# KiCad board artix-dc-scm.kicad_pcb (continued)
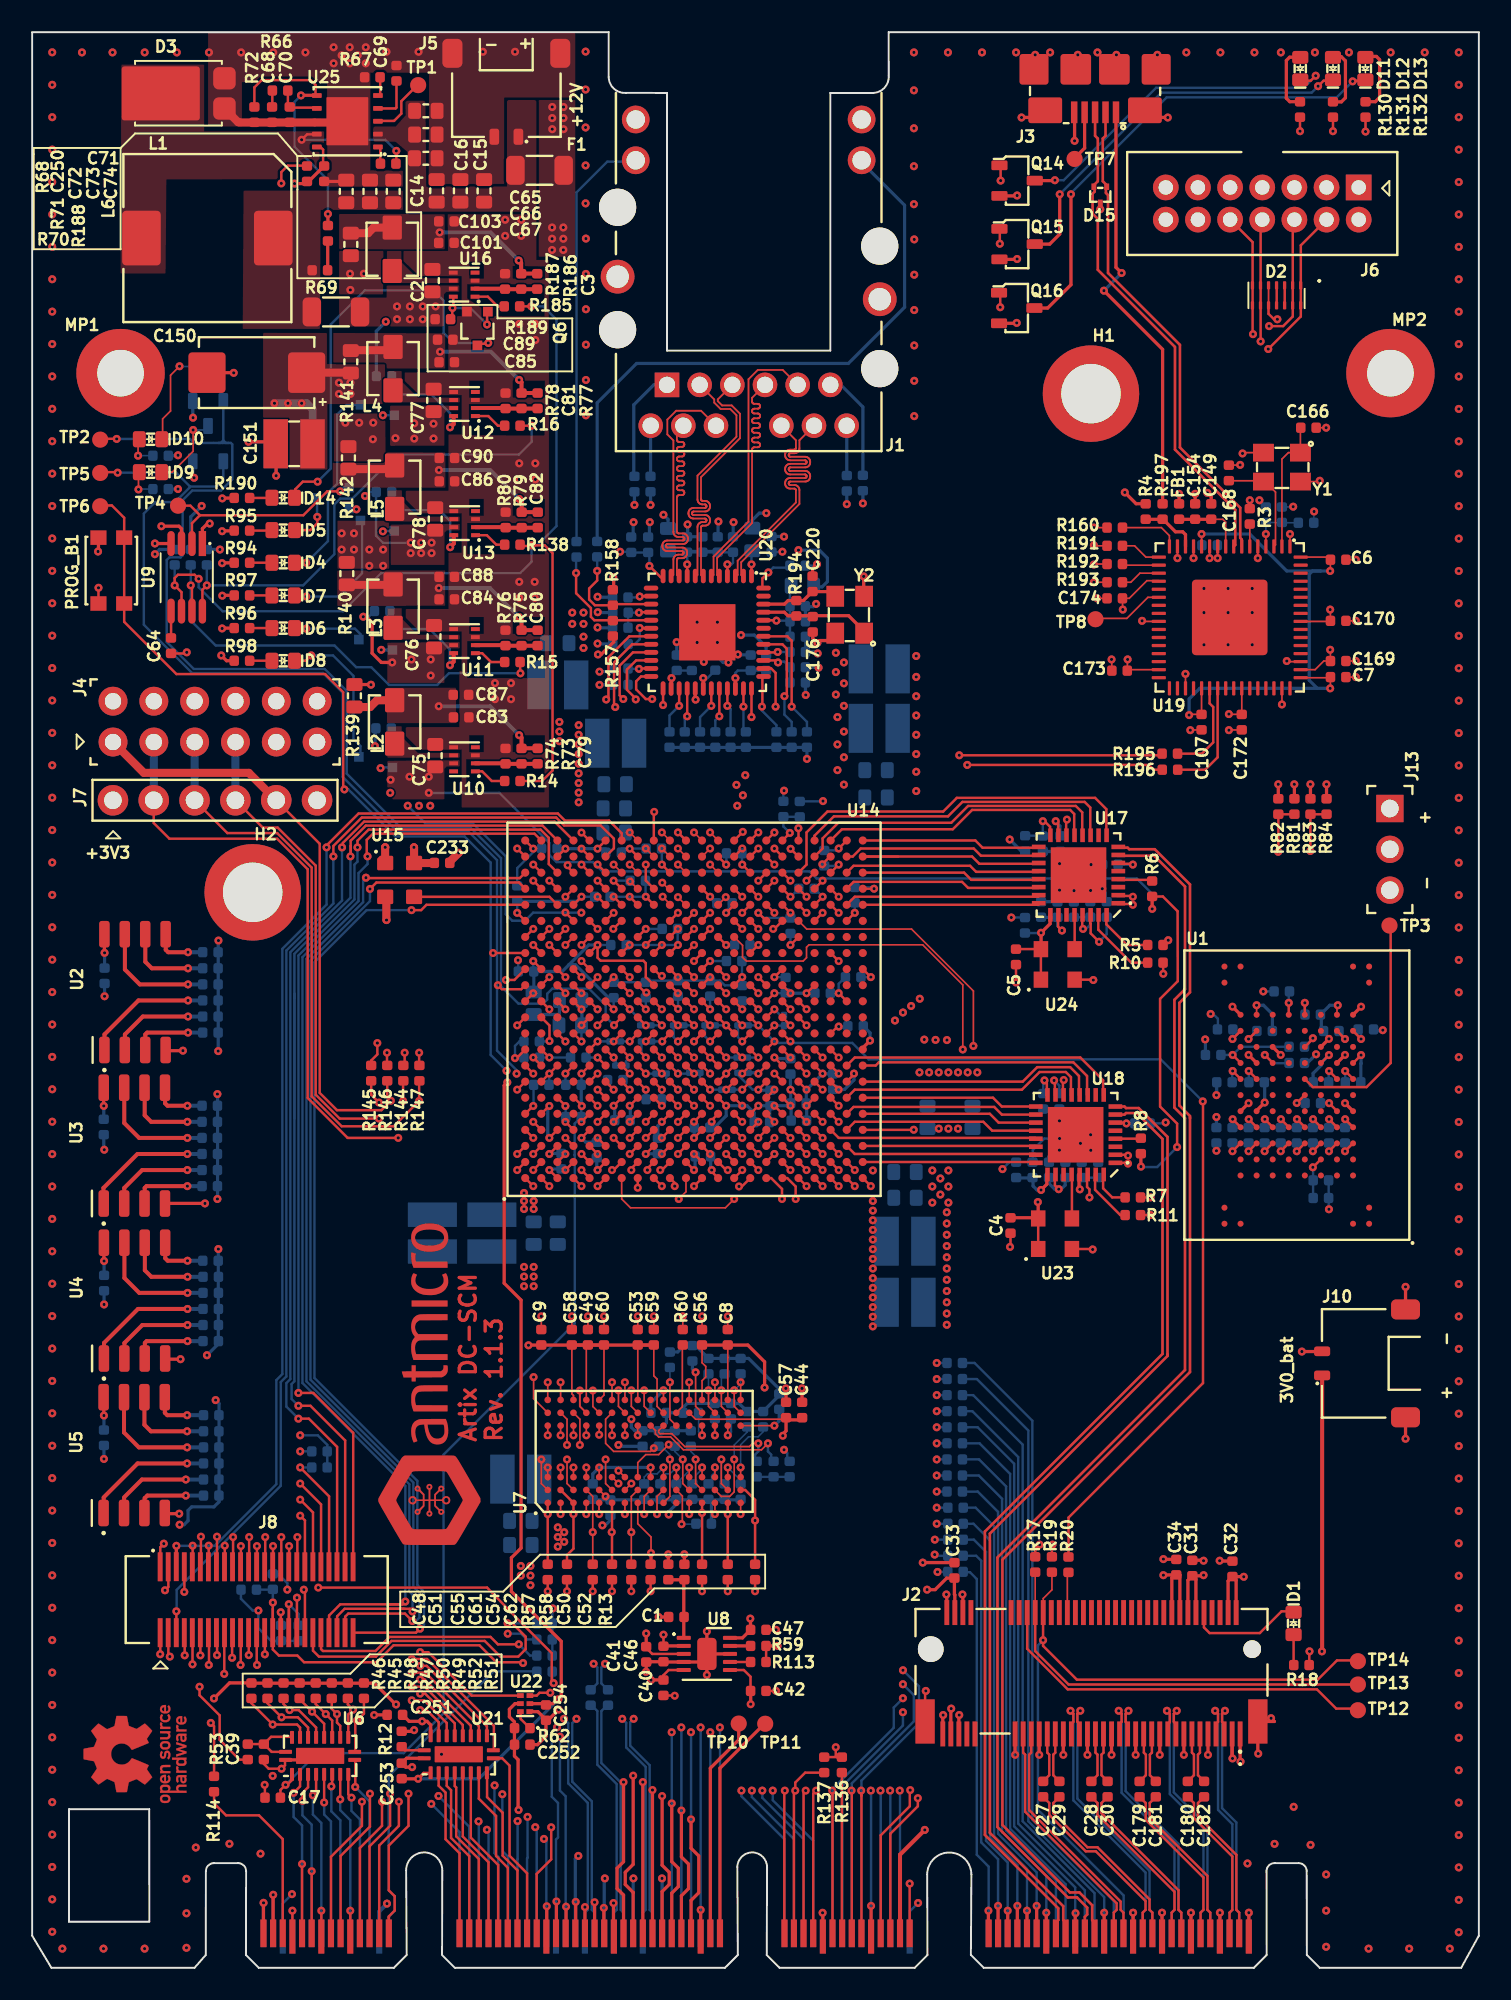
[diagram p0: board, top side]
## Routing (per net, layer and track width the routed paths; a pad name or vN(x,y) marks a point on that pad's centre or on a via; arc(x,y) is an arc through that point) (continued)
SPI0_CLK_R: length 19.5
  Top w0.15: v3(21.48,57.53) 21.48,56.82 21.09,56.44 21.09,56.14 ; U14.E16 v3(34.18,63.63)
  In2.Cu w0.15: v3(34.18,63.63) 34.18,63.73 32.47,65.43 30.96,65.43 30.46,64.94 28.09,64.94 28.07,64.93 21.48,58.32 v3(21.48,57.53)
SPI0_CS_N: length 90.4
  Top w0.15: v3(22.26,10.83) 22.26,8.84 20.99,7.56 20.99,1.96 ; 15.18,72.63 17.89,69.92 17.89,54.42 18.96,53.35 21.73,53.35 v3(22.32,53.94) 22.09,54.16 22.09,55.17
  Top w0.5: 15.18,72.63 13.48,74.33 6.95,74.33 J4.1
  In2.Cu w0.15: v3(22.32,53.94) 22.32,52.24 21.71,51.64 21.71,11.38 v3(22.26,10.83)
SPI0_CS_N_R: length 17.9
  Top w0.15: v3(22.07,56.93) 22.07,56.16 22.09,56.14 ; U14.D16 v3(33.18,63.63)
  In2.Cu w0.15: v3(33.18,63.63) 33.18,64.33 32.43,65.08 31.01,65.08 30.62,64.69 28.26,64.69 22.07,58.5 v3(22.07,56.93)
SPI0_MISO: length 91.3
  Top w0.15: 22.2,3.14 22.19,3.13 22.19,1.96 ; J7.3 12.15,70.59 15.24,70.59 17.39,68.44 17.39,54.21 19.25,52.35 22.5,52.35 v3(24.07,53.93) 24.07,55.16 24.09,55.17 ; J9.OB14 22.19,3.2 22.55,3.56 22.55,4.46 22.19,4.82 22.19,7.61 23.41,8.84 v3(23.41,10.84)
  In2.Cu w0.15: v3(23.41,10.84) 22.21,12.04 22.21,50.06 24.07,51.93 v3(24.07,53.93)
  Bottom w0.5: 10.11,76.25 10.11,72.63 J7.3
SPI0_MISO_R: length 14.4
  Top w0.15: U14.B16 v3(32.18,64.63) ; 24.09,56.14 24.07,56.16 v3(24.07,56.93)
  In2.Cu w0.15: v3(32.18,64.63) 31.68,64.14 29.11,64.14 29.1,64.15 28.6,64.15 24.07,59.63 v3(24.07,56.93)
SPI0_MOSI: length 91.2
  Top w0.15: v3(23.07,53.93) 23.07,55.16 23.09,55.17 ; J7.2 7.57,71.21 8.54,70.24 15.24,70.24 17.14,68.34 17.14,54.11 19.62,51.63 v3(22.77,51.63) ; 21.59,1.96 21.59,7.61 22.82,8.84 v3(22.82,10.34)
  In2.Cu w0.15: v3(22.82,10.34) 22.82,10.96 21.96,11.81 21.96,50.81 v3(22.77,51.63) 23.07,51.93 v3(23.07,53.93)
  Bottom w0.5: 7.57,76.25 7.57,72.63 J7.2
SPI0_MOSI_R: length 14
  Top w0.15: U14.A16 v3(31.18,64.63) ; 23.09,56.14 23.18,56.23 v3(23.18,56.93)
  In2.Cu w0.15: v3(31.18,64.63) 30.98,64.44 28.44,64.44 23.18,59.17 v3(23.18,56.93)
SYS_PWRBTN_N_R: length 27.6
  Top w0.15: 46.68,50.12 v3(47.18,49.62)
  In2.Cu w0.15: v3(47.18,49.62) 47.18,48.83 47.93,48.07 47.93,38.52 52.18,34.28 52.18,30.15 53.7,28.62 v2(56.27,28.62)
  Bottom w0.15: 56.91,28.62 v2(56.27,28.62)
SYS_PWROK_R: length 27.3
  Top w0.15: 47.68,51.12 v3(48.18,50.62)
  In2.Cu w0.15: v2(56.27,29.62) 54.24,29.62 52.48,31.4 52.48,34.43 48.18,38.72 48.18,48.42 47.68,48.93 47.68,50.12 v3(48.18,50.62)
  Bottom w0.15: 56.91,29.62 v2(56.27,29.62)
TPM_GPIO: length 49.6
  Top w0.15: 49.65,69.15 v4(49.15,68.65)
  In2.Cu w0.15: v2(24.76,72.29) 24.07,71.59 22.39,71.59 19.32,74.66 19.32,79.49 18.26,80.54 11.85,80.54 10.11,78.79
  In5.Cu w0.15: v2(24.76,72.29) 25.21,71.84 47.37,71.84 48.16,71.04 48.16,69.64 v4(49.15,68.65)
TPM_PIRQ#: length 45.9
  Top w0.15: 36.65,65.13 v3(36.15,64.63)
  In2.Cu w0.15: v3(36.15,64.63) 35.66,64.14 34.76,64.14 34.16,64.74 v2(34.16,65.64) ; v2(23.37,72.29) 22.44,72.29 19.82,74.91 19.82,79.79 18.56,81.04 7.28,81.04 5.03,78.79
  Bottom w0.15: v2(23.37,72.29) 24.46,71.19 27.41,71.19 29.46,69.14 29.46,65.54 29.87,65.14 30.66,65.14 31.16,65.64 v2(34.16,65.64)
TPM_PP: length 35.1
  Top w0.15: U14.G18 v3(36.18,66.63)
  In2.Cu w0.15: 12.65,78.79 14.15,80.29 18.12,80.29 19.07,79.34 19.07,74.51 22.49,71.09 34.66,71.09 35.66,70.09 35.66,67.14 v3(36.18,66.63)
TPM_RST: length 49.1
  Top w0.15: v2(47.67,70.89) 47.68,70.88 47.68,70.13
  In2.Cu w0.15: v2(24.07,72.29) 24.07,72.14 23.76,71.84 22.54,71.84 19.57,74.81 19.57,79.64 18.41,80.79 9.57,80.79 7.57,78.79
  In5.Cu w0.15: v2(24.07,72.29) 24.76,71.59 46.97,71.59 v2(47.67,70.89)
UART0_SCM_RX: length 73.5
  Top w0.15: 19.19,1.86 19.19,6.96 21.01,8.79 v3(21.01,10.84) ; 33.68,65.15 v3(33.18,65.65)
  In2.Cu w0.15: v3(33.18,65.65) 32.82,65.65 32.34,66.12 28.85,66.12 20.98,58.25 20.98,10.88 v3(21.01,10.84)
UART0_SCM_TX: length 77.3
  Top w0.15: U14.E17 v3(35.18,64.63) ; v3(20.51,10.34) 20.51,8.84 18.59,6.91 18.59,1.86
  In2.Cu w0.15: v3(20.51,10.34) 20.51,10.99 20.68,11.15 20.68,58.37 27.75,65.45 28.12,65.83 28.67,66.37 32.73,66.37 32.98,66.13 34.77,66.13 35.18,65.73 v3(35.18,64.63)
UART1_SCM_RX: length 91.1
  Top w0.15: 45.68,69.13 v4(46.18,68.63) ; 17.39,1.86 v4(17.39,6.01)
  In5.Cu w0.15: v4(46.18,68.63) 45.27,67.73 37.32,67.73 36.52,68.52 30.31,68.52 19.05,57.26 19.05,20.17 21.21,18 21.21,9.84 v4(17.39,6.01)
UART1_SCM_TX: length 92
  Top w0.15: 16.79,1.86 v4(16.79,6.46) ; 46.68,69.13 v4(46.18,69.63)
  In5.Cu w0.15: v4(46.18,69.63) 44.58,68.03 37.42,68.03 36.62,68.83 30.19,68.83 18.75,57.39 18.75,20.04 20.91,17.88 20.91,10.59 v4(16.79,6.46)
ULPI1_CLKOUT: length 21.2
  Top w0.15: 48.68,67.13 v3(49.18,67.63) ; 64.32,70.36 64.32,71.38 v3(64.38,71.43)
  In2.Cu w0.15: v3(64.38,71.43) 64.38,68.43 62.57,66.63 51.6,66.63 50.6,67.63 v3(49.18,67.63)
ULPI1_DATA0: length 11
  Top w0.15: 51.68,66.13 62.59,66.13 62.64,66.18
ULPI1_DATA1: length 12.2
  Top w0.15: 62.64,66.68 62.59,66.63 51.18,66.63 50.68,66.13
ULPI1_DATA2: length 12.3
  Top w0.15: 50.68,67.13 51.1,67.55 57.85,67.55 58.23,67.18 62.64,67.18
ULPI1_DATA3: length 11.2
  Top w0.15: 51.68,68.13 57.98,68.13 58.43,67.68 62.64,67.68
ULPI1_DATA4: length 12.3
  Top w0.15: 62.64,68.18 58.73,68.18 58.35,68.55 51.1,68.55 50.68,68.13
ULPI1_DATA5: length 13.4
  Top w0.15: 62.64,68.68 58.93,68.68 58.48,69.13 51.68,69.13 53.87,69.13
ULPI1_DATA6: length 12.4
  Top w0.15: 62.64,69.18 59.02,69.18 58.57,69.63 51.55,69.63 51.05,69.13 50.68,69.13
ULPI1_DATA7: length 11.2
  Top w0.15: 51.68,70.13 58.68,70.13 59.12,69.68 62.64,69.68
ULPI1_DIR: length 20
  Top w0.15: 65.32,70.36 65.32,71.88 64.92,72.28 58.23,72.28 57.18,71.23 50.15,71.23 49.18,70.25 49.18,69.63 48.68,69.13
ULPI1_NXT: length 20.3
  Top w0.15: 48.68,70.13 48.68,70.43 49.87,71.63 56.98,71.63 57.88,72.53 65.47,72.53 65.82,72.18 65.82,70.36
ULPI1_RESET: length 24.3
  Top w0.15: 66.82,70.36 66.82,72.08 66.12,72.78 57.53,72.78 56.68,71.93 49.48,71.93 48.18,70.63 48.18,68.63 47.68,68.13
ULPI1_STP: length 17.5
  Top w0.15: 64.82,70.36 64.82,71.78 64.57,72.03 58.48,72.03 57.27,70.83 50.37,70.83 49.68,70.13
ULPI2_CLKOUT: length 19.9
  Top w0.15: 64.12,54.26 64.12,55.18 v3(64.18,55.23) ; 47.68,52.13 v3(48.18,51.63)
  In2.Cu w0.15: v3(48.18,51.63) 48.68,51.12 60.55,51.12 64.18,54.75 v3(64.18,55.23)
ULPI2_DATA0: length 10.8
  Top w0.15: 62.44,50.08 62.39,50.12 51.68,50.12
ULPI2_DATA1: length 12
  Top w0.15: U18.23 62.39,50.62 51.18,50.62 50.68,51.12
ULPI2_DATA2: length 10.8
  Top w0.15: 51.68,51.12 62.39,51.12 62.44,51.08
ULPI2_DATA3: length 13
  Top w0.15: 62.44,51.58 62.39,51.63 50.18,51.63 49.68,52.13
ULPI2_DATA4: length 12.2
  Top w0.15: 62.44,52.08 59.73,52.08 59.18,52.63 51.18,52.63 50.68,52.13
ULPI2_DATA5: length 11
  Top w0.15: 51.68,53.13 59.57,53.13 60.12,52.58 62.44,52.58
ULPI2_DATA6: length 12.1
  Top w0.15: 50.68,53.13 51.1,53.55 59.85,53.55 60.32,53.08 62.44,53.08
ULPI2_DATA7: length 11
  Top w0.15: 51.68,54.13 59.77,54.13 60.32,53.58 62.44,53.58
ULPI2_DIR: length 15.3
  Top w0.15: 51.68,55.13 61.62,55.13 62.52,56.03 64.57,56.03 65.12,55.48 65.12,54.26
ULPI2_NXT: length 15.6
  Top w0.15: 65.62,54.26 65.62,55.48 64.78,56.33 52.68,56.33 52.48,56.13 51.68,56.13
ULPI2_RESET: length 17.7
  Top w0.15: 50.68,56.13 51.18,56.63 65.21,56.63 66.62,55.21 66.62,54.26
ULPI2_STP: length 15.9
  Top w0.15: 50.68,54.13 51.18,54.63 61.57,54.63 62.68,55.73 64.3,55.73 64.62,55.4 64.62,54.26
USB1_D_N: length 79
  Top w0.16: 67.51,69.68 68.16,69.68 68.25,69.58 69.84,69.58 72.03,67.39 72.03,60.68 71.37,60.02 71.37,53.64 72.03,52.98 72.03,52.86 72.03,37.06 60.36,25.39 60.36,8.89 64.56,4.69 65.15,4.69 65.94,3.9 65.94,2.97 66.09,2.83 66.09,1.96
USB1_D_P: length 78.4
  Top w0.16: 65.49,1.96 65.49,3.18 65.63,3.32 65.63,3.75 65,4.38 64.43,4.38 60.05,8.76 60.05,25.52 71.72,37.19 71.72,52.85 71.06,53.51 71.06,60.21 71.72,60.87 71.72,67.26 69.81,69.18 67.51,69.18
USB2_D_N: length 60.4
  Top w0.15: 70.63,38.08 70.63,38.16
  Top w0.16: 67.31,53.58 67.96,53.58 68.05,53.48 68.84,53.48 70.63,51.69 70.63,38.06 59.58,27.01 59.58,8.4 64.15,3.83 64.15,2.97 64.29,2.83 64.29,1.96
USB2_D_P: length 59.8
  Top w0.16: 67.31,53.08 67.96,53.08 68.05,53.17 68.71,53.17 70.32,51.56 70.32,38.19 59.27,27.14 59.27,8.27 63.84,3.71 63.84,2.97 63.69,2.83 63.69,1.96
USR_LED0: length 52.1
  Top w0.15: 45.68,68.13 v3(45.18,67.63) ; v2(60.25,111.17) 60.25,112.17
  In2.Cu w0.15: v2(60.25,111.17) 59.45,110.37 59.45,98 52.6,91.15 52.6,74.06 46.74,68.2 45.75,68.2 v3(45.18,67.63)
USR_LED1: length 46.7
  Top w0.15: 46.68,68.13 v3(47.18,67.63) ; v2(60.2,107.25) 60.2,108.2
  In2.Cu w0.15: v2(60.2,107.25) 59.77,106.82 59.77,97.87 52.9,91 52.9,74 47.18,68.28 v3(47.18,67.63)
USR_LED2: length 42.3
  Top w0.15: 48.68,68.13 v3(48.18,67.63) ; 60.2,104.17 60.23,104.15 v2(60.23,103.3)
  In2.Cu w0.15: v3(48.18,67.63) 48.18,68.93 53.2,73.95 53.2,90.82 60.23,97.84 v2(60.23,103.3)
VIRTUAL_RESEAT_R: length 76.3
  Top w0.15: v2(32.44,17.71) 32.32,17.83 32.32,19.58 30.18,21.73 28.3,23.65 v3(17.8,23.65) ; 34.68,70.12 v3(34.18,70.62)
  In2.Cu w0.15: v3(34.18,70.62) 29.07,70.62 17.8,59.35 v3(17.8,23.65)
  Bottom w0.15: v2(32.44,17.71) 32.36,17.79 32.36,18.43
Net-(C20-Pad2): length 12.4
  Top w0.15: 63.82,65.49 63.82,64.77 v2(64.06,64.53) ; v2(63.68,71.33) 63.77,71.33 63.82,71.28 63.82,70.36
  In5.Cu w0.2: v2(64.06,64.53) 63.37,65.23 63.37,71.02 v2(63.68,71.33)
  Bottom w0.15: 63.96,70.39 63.96,71.04 v2(63.68,71.33) ; v2(64.06,64.53) 63.77,64.82 63.77,65.34
  Bottom w0.2: 63.77,65.34 62.72,65.34
Net-(C63-Pad1): length 2
  Bottom w0.15: 44.97,30.54 46.97,30.54
Net-(C68-Pad2): length 1
  Top w0.15: 14.94,116.78 14.94,115.78
Net-(C79-Pad2): length 10.3
  Top w0.25: 31.45,75.86 30.45,75.86 30.45,76.53 v2(30.29,76.68)
  Top w0.5: L2.2 21.45,78.85 21.02,78.43 20.07,78.43
  Bottom w0.25: v2(30.29,76.68) 28.49,78.48 v2(25.29,78.48)
Net-(C80-Pad2): length 10.5
  Top w0.25: 31.45,83.21 30.45,83.21 30.45,83.88 v2(30.29,84.03)
  Top w0.5: R140.2 22.45,86.03 22.48,86
  Bottom w0.25: v2(30.29,84.03) 28.49,85.83 v2(25.29,85.83)
Net-(C81-Pad2): length 9.9
  Top w0.25: 31.45,97.96 30.45,97.96 30.45,98.63 v2(30.29,98.78)
  Top w0.5: 22.37,100.6 22.35,100.63 19.98,100.63
  Bottom w0.25: v2(30.29,98.78) 28.54,100.53 v2(25.37,100.53)
Net-(C82-Pad2): length 10.5
  Top w0.25: v2(30.3,91.37) 30.46,91.22 30.46,90.55 31.46,90.55
  Top w0.5: 19.98,93.23 22.87,93.23
  Bottom w0.25: v2(25.3,93.17) 28.51,93.17 v2(30.3,91.37)
Net-(C101-Pad2): length 10.2
  Top w0.25: v2(30.27,106.2) 30.42,106.05 30.42,105.39 31.42,105.39
  Top w0.5: L6.2 21.25,108.25 20.9,107.9 R188.2
  Bottom w0.25: v2(25.35,107.95) 28.52,107.95 v2(30.27,106.2)
Net-(C177-Pad2): length 12.1
  Top w0.15: 63.62,54.26 63.62,55.15 v2(63.58,55.2) ; 63.62,49.39 63.62,48.68 v2(63.87,48.44)
  In5.Cu w0.2: v2(63.58,55.2) 63.58,54.8 63.41,54.64 63.41,48.89 v2(63.87,48.44)
  Bottom w0.15: 63.9,54.39 63.9,54.87 v2(63.58,55.2)
  Bottom w0.2: 63.26,49.15 63.26,48.8 63.62,48.44 v2(63.87,48.44) 64.01,48.44 64.26,48.69 64.26,49.19
Net-(D1-A): length 1.7
  Top w0.15: 78.47,20.68 78.47,18.98
Net-(D3-C): length 8.1
  Top w0.15: 17.62,114.05 17.1,114.05 v2(16.76,113.71) ; 22.63,112.15 22.65,112.17 v2(22.65,113.02)
  Bottom w0.15: v2(16.76,113.71) 21.96,113.71 v2(22.65,113.02)
Net-(D4-A): length 1.3
  Top w0.15: 14.87,87.4 13.54,87.4
Net-(D4-C): length 12.5
  Top w0.15: v2(17.05,87.4) 17.05,87.4 16.37,87.4
  Bottom w0.15: 20.52,97.23 19.57,97.23 18.98,96.63 18.98,92.32 18.4,91.74 18.4,88.74 17.06,87.4 v2(17.05,87.4)
Net-(D5-A): length 1.3
  Top w0.15: 14.87,89.43 14.84,89.4 13.54,89.4
Net-(D5-C): length 3.1
  Top w0.15: 16.37,89.43 17.31,89.43 17.74,89.86 v2(17.74,90.25)
  Bottom w0.15: 17.73,91.43 17.73,90.27 v2(17.74,90.25)
Net-(D6-A): length 1.3
  Top w0.15: 13.54,83.34 14.87,83.34
Net-(D6-C): length 4.5
  Top w0.15: v2(17.05,83.3) 17.01,83.34 16.37,83.34
  Bottom w0.15: v2(17.05,83.3) 20.08,83.3 20.43,82.96 20.43,82.63
Net-(D7-A): length 1.3
  Top w0.15: 13.54,85.37 14.87,85.37
Net-(D7-C): length 8.1
  Top w0.15: 16.37,85.37 16.44,85.3 v2(17.05,85.3)
  Bottom w0.15: v2(17.05,85.3) 19.08,85.3 20.52,86.75 20.52,90.03
Net-(D8-A): length 1.3
  Top w0.15: 13.54,81.31 14.87,81.31
Net-(D8-C): length 9.5
  Top w0.15: 16.37,81.31 17.04,81.31 v2(17.37,81.64)
  Bottom w0.15: 20.43,75.33 20.43,76 19.99,76.43 19.99,80.36 18.72,81.64 v2(17.37,81.64)
Net-(D9-A): length 2
  Top w0.1: v2(6.62,91.96) 6.62,93.03 6.62,93.04
  Bottom w0.1: 7.51,91.99 6.64,91.99 v2(6.62,91.96)
Net-(D9-C): length 4.8
  Top w0.1: v2(10.01,95.66) 10.01,94.34 8.71,93.04 8.12,93.04
  Bottom w0.1: 10.94,95.86 10.74,95.66 v2(10.01,95.66)
Net-(D10-A): length 2
  Top w0.1: 6.62,95.09 6.59,95.06 v2(6.59,94.06)
  Bottom w0.1: 7.51,94.06 v2(6.59,94.06)
Net-(D10-C): length 6.8
  Top w0.1: v2(9.17,99.62) 8.61,99.06 8.61,96.84 8.12,96.35 8.12,95.09
  Bottom w0.1: v2(9.17,99.62) 9.18,99.61 10.94,99.61
Net-(D11-A): length 4.3
  Top w0.2: 78.84,118.84 78.89,118.89 ; 78.85,118.85 78.22,118.85 78.03,118.65 78.03,116.3 78.24,116.08 78.88,116.08
Net-(D11-C): length 21.3
  Top w0.15: v2(79.85,117.7) 79.54,117.39 78.89,117.39
  Top w0.2: v2(63.62,111.2) 63.6,111.17 62.32,111.17
  Bottom w0.15: v2(63.62,111.2) 64.18,111.2 69.93,116.95 79.1,116.95 v2(79.85,117.7)
Net-(D12-A): length 4.1
  Top w0.2: 80.95,116.07 81.45,116.07 81.7,116.32 81.7,118.62 81.44,118.89 80.89,118.89 80.93,118.89
Net-(D12-C): length 24.2
  Top w0.15: v2(80,117.05) 80.34,117.39 80.89,117.39
  Top w0.2: v2(63.93,110.32) 63.93,107.85 63.3,107.22 62.32,107.22
  Bottom w0.15: v2(80,117.05) 79.6,116.65 70.25,116.65 v2(63.93,110.32)
Net-(D13-A): length 4.3
  Top w0.2: 82.97,118.9 83.62,118.9 83.83,118.7 83.83,116.35 83.56,116.08 82.95,116.08
Net-(D13-C): length 29.8
  Top w0.15: 82.94,117.39 82.19,117.39 v2(82.15,117.35)
  Top w0.2: v2(64.62,110.32) 64.62,104.7 63.18,103.25 62.3,103.25
  Bottom w0.15: v2(64.62,110.32) 64.62,110.4 70.58,116.35 81.15,116.35 v2(82.15,117.35)
Net-(D14-A): length 1.3
  Top w0.15: 13.54,91.43 14.86,91.43 14.87,91.44
Net-(D14-C): length 26.2
  Top w0.15: v2(28.37,101.07) 28.32,101.02 27.65,101.02 ; v2(17.76,92.44) 16.84,92.44 16.37,91.97 16.37,91.44
  Bottom w0.15: v2(17.76,92.44) 18.57,93.26 18.57,102.22 20.7,104.35 24.95,104.35 25.6,103.7 25.6,101.7 26.23,101.07 v2(28.37,101.07)
Net-(J1-Pad13): length 26.2
  Bottom w0.15: 37.59,112.35 35.78,112.35 33.87,110.44 33.87,88.71
Net-(J1-Pad15): length 40.4
  Bottom w0.2: 35.15,88.73 35.15,97.35 37.6,99.8 50.77,99.8 54.27,103.3 54.27,109.64 51.56,112.35
Net-(J1-TRCT1): length 3.1
  Bottom w0.2: 50.68,92.83 50.68,95.92 J1.12
Net-(J1-TRCT2): length 6.8
  Bottom w0.2: J1.6 50.3,98.47 51.68,97.09 51.68,92.85
Net-(J1-TRCT3): length 7
  Bottom w0.2: 37.45,92.8 37.43,92.82 37.43,97.22 38.67,98.47 J1.1
Net-(J1-TRCT4): length 3.1
  Bottom w0.2: 38.47,92.78 38.47,95.92 J1.7
Net-(J2-ALERT): length 2.5
  Top w0.1: 64.47,24.59 64.4,24.53 64.4,22.1
Net-(J2-~{CLKREQ}): length 25.7
  Top w0.1: 62.4,22.1 62.4,24.61
  Top w0.15: 62.4,22.1 62.4,19.7 64.47,17.62 82.33,17.62
Net-(J2-~{PEWAKE}): length 24.5
  Top w0.15: 82.47,15.78 82.13,16.12 81.12,16.12 79.93,17.33 64.42,17.33 61.9,19.85 61.9,22.1
Net-(J3-ID): length 2.7
  Top w0.2: 65.47,114.97 65.47,113.2 64.82,112.55
Net-(J9-PadB35): length 10.2
  Top w0.15: 50.37,12.14 50.37,1.97
Net-(R70-Pad2): length 1.8
  Top w0.2: 18.4,107.41 18.38,107.4 18.38,105.6
Net-(U1-CLK): length 1.5
  Top w0.15: 78.17,59.29 v2(78.17,60.03)
  Bottom w0.15: v2(78.17,60.03) 78.17,60.74 78.19,60.76
Net-(U1-DS): length 14.8
  Top w0.15: 79.17,55.29 79.68,54.79 83.02,54.79 84.52,56.29 84.52,64.81 84.44,64.89
Net-(U1-VDDIM): length 2.6
  Top w0.15: 80.16,50.29 v2(79.67,49.8)
  Bottom w0.15: v2(79.67,49.8) 79.69,49.78 79.69,47.89
Net-(U7-ZQ): length 4.2
  Top w0.1: U7.L8 40.45,34.9 40.45,38.55 40.43,38.58
Net-(U8-EN): length 1.3
  Top w0.15: 43.41,19.03 44.69,19.03
Net-(U8-PGOOD): length 1.3
  Top w0.2: U8.9 44.69,20.03
Net-(U8-REFIN): length 4.6
  Top w0.2: U8.1 40.54,24.1 40.57,24.14 39.57,24.14
Net-(U9-TADJ): length 1.7
  Top w0.15: 8.64,82.73 8.64,82.73 U9.5
Net-(U10-EN): length 2.1
  Top w0.15: 29.39,73.83 28.59,73.83 27.99,74.43 27.57,74.43
Net-(U10-FB): length 3.9
  Top w0.25: 27.57,74.93 29.41,74.93 29.45,74.89 31.45,74.89
Net-(U11-EN): length 2
  Top w0.15: 29.39,81.23 28.54,81.23 27.99,81.78 27.57,81.78
Net-(U11-FB): length 3.9
  Top w0.25: 31.45,82.24 29.45,82.24 29.41,82.28 27.57,82.28
Net-(U12-EN): length 2.1
  Top w0.15: 27.57,96.53 28.37,96.53 28.98,95.93 29.39,95.93
Net-(U12-FB): length 3.9
  Top w0.25: 31.45,96.99 29.45,96.99 29.41,97.03 27.57,97.03
Net-(U13-EN): length 2.1
  Top w0.15: 29.39,88.53 28.87,88.53 28.29,89.12 27.58,89.12
Net-(U13-FB): length 3.9
  Top w0.25: 27.58,89.62 29.42,89.62 29.46,89.58 31.46,89.58
Net-(U14A-IO_L6P_T0_FCS_B_14): length 68.2
  Top w0.15: 45.68,67.13 v4(46.18,67.63)
  In5.Cu w0.15: v4(46.18,67.63) 46.65,68.1 46.65,70.97 46.29,71.33 30.14,71.33 16.99,58.17 16.99,33.44 v2(16.68,33.12)
  Bottom w0.15: v2(16.68,33.12) 17.77,33.12 18.36,32.53 18.36,30.93
Net-(U14D-CFGBVS_0): length 1.7
  Top w0.15: 46.68,56.13 v2(46.18,56.63)
  Bottom w0.2: 47.18,56.56 46.24,56.56 v2(46.18,56.63)
Net-(U14E-MGTRREF_216): length 1.4
  Top w0.15: U14.F8 v2(35.18,56.63)
  Bottom w0.15: 34.46,56.63 v2(35.18,56.63)
Net-(U16-EN): length 2.1
  Top w0.15: 29.37,103.35 28.95,103.35 28.35,103.95 27.54,103.95
Net-(U16-FB): length 3.9
  Top w0.25: 27.54,104.45 29.38,104.45 29.42,104.42 31.42,104.42
Net-(U17-RBIAS): length 3.7
  Top w0.15: 66.82,65.49 66.82,64.91 68.11,63.63 69.39,63.63
Net-(U17-REG_EN): length 4.8
  Top w0.15: 69.39,62.53 68.38,62.53 66.32,64.58 66.32,65.49
Net-(U17-VBUS): length 2.2
  Top w0.15: 67.51,67.68 69.61,67.68 69.68,67.61
Net-(U17-VDDA1.8): length 2.9
  Top w0.15: 65.32,65.49 65.32,64.68 v2(65.38,64.63)
  Bottom w0.15: 65.82,65.35 64.81,65.35 64.8,65.34 ; 65.84,65.36 65.81,65.34 65.81,64.88 65.56,64.63 v2(65.38,64.63)
Net-(U17-XI): length 2.1
  Top w0.15: 64.82,65.49 64.85,65.46 U24.3
Net-(U18-RBIAS): length 2.5
  Top w0.15: 67.99,47.93 67.19,47.93 66.62,48.49 66.62,49.39
Net-(U18-REG_EN): length 3.5
  Top w0.15: 67.99,46.83 67.69,46.83 66.12,48.4 66.12,49.39
Net-(U18-VBUS): length 1.7
  Top w0.15: 67.31,51.58 68.94,51.58 68.97,51.61
Net-(U18-VDDA1.8): length 2.7
  Top w0.2: v2(65.18,48.43) 65.12,48.48 65.12,49.39
  Bottom w0.15: 65.18,49.14 65.19,49.15 66.22,49.15
  Bottom w0.2: v2(65.18,48.43) 65.18,49.14
Net-(U18-XI): length 2.7
  Top w0.15: U23.3 64.69,49.33
Net-(U19-ADBUS0): length 3.8
  Top w0.1: 70.75,88.41 70.75,89.09 70.25,89.59 67.84,89.59
Net-(U19-ADBUS1): length 2.5
  Top w0.1: 67.84,88.45 68.58,88.45 69.29,87.75 U19.17
Net-(U19-ADBUS2): length 2.3
  Top w0.1: 67.84,87.32 67.91,87.25 U19.18
Net-(U19-ADBUS3): length 2.5
  Top w0.1: 67.84,86.19 68.35,86.19 68.91,86.75 U19.19
Net-(U19-ADBUS5): length 4.5
  Top w0.1: 66.15,83.94 68.1,83.94 69.41,85.25 U19.22
Net-(U19-CDBUS0): length 6
  Top w0.15: 73.25,79.59 73.25,78.65 73.47,78.43 73.47,76.23 72.78,75.53 71.26,75.53
Net-(U19-CDBUS1): length 7.1
  Top w0.15: 71.27,74.53 72.97,74.53 73.75,75.3 73.75,79.59
Net-(U19-OSCI): length 8.3
  Top w0.1: 77.75,88.41 77.75,93.85 78.15,94.25 78.9,94.25 78.9,95.79 78.91,95.8
Net-(U19-OSCO): length 6.4
  Top w0.1: 77.25,88.41 77.35,88.51 77.35,91.8 76.7,92.45 Y1.3 76.55,92.5 74.69,92.5
Net-(U19-REF): length 1.4
  Top w0.1: 75.75,89.8 75.75,88.41
Net-(U19-~{RESET}): length 3.6
  Top w0.2: 70.33,90.1 69.25,90.1 ; 70.35,90.1 71.13,89.33 71.57,89.33 71.75,89.15 U19.14
Net-(U20-ISET): length 2.5
  Top w0.15: v2(45.8,86.8) 45.43,86.43 45.43,85.83
  Bottom w0.15: v2(45.8,86.8) 46.1,87.1 47.09,87.1
Net-(U20-XI): length 4.8
  Top w0.2: 45.43,84.83 46.8,84.83 47.03,85.05 47.98,85.05 48.51,85.58 ; 48.55,85.61 49.91,85.61
Net-(U20-XO): length 6.9
  Top w0.2: 45.43,84.33 46.79,84.33 47.01,84.11 50.79,84.11 51.78,83.12 51.78,83.03
Net-(U21-EN): length 1.4
  Top w0.15: 22.99,13.74 23.19,13.54 24.35,13.54
Net-(U22-EN): length 1.3
  Top w0.15: 30.96,14.91 30.4,15.48 30.4,15.94
Net-(U25-BOOT): length 1.1
  Top w0.15: 21.65,113.26 21.65,113.26 21.65,112.16 21.67,112.15
Net-(U25-COMP): length 2.7
  Top w0.15: 16.02,115.71 17.54,115.71 17.62,115.63 ; 16.02,115.76 15.91,115.88 15.91,116.78
Net-(U25-EN): length 3.8
  Top w0.15: 24.01,117.16 22.96,116.11 22.96,115.34 22.51,114.89 21.68,114.89 21.65,114.86
Net-(U25-FB): length 16
  Top w0.15: 13.82,115.76 13.82,116.97 14.27,117.42 17.33,117.42 17.62,117.13 17.62,116.48
  Top w0.2: 18.4,108.38 v2(18.4,109.1) ; 17.62,116.48 16.73,116.48
  Bottom w0.15: v2(16.73,116.47) 16.32,116.07 16.32,113.28 18.4,111.2 v2(18.4,109.1)
Net-(U25-RT/CLK): length 1.1
  Top w0.15: 21.65,116.46 21.65,117.6
Net-(U25-SS/TR): length 2.7
  Top w0.15: 22.66,117.37 22.66,115.72 22.61,115.66 21.65,115.66
unconnected-(D2-Pad11): length 1.2
  Top w0.15: 77.43,104.65 77.43,103.4
unconnected-(D2-Pad12): length 1.2
  Top w0.15: 77.93,103.4 77.93,104.62

## Copper pours and planes (outline as drawn; the poured copper is in the pictures)
/Power supply/VCC12V on Top: 24.46,116.14 24.51,110.81 29.54,110.81 29.54,116.19 31.37,116.19 31.37,109.24 23.34,109.24 23.34,112.96 22.62,113.59 21.21,113.59 21.21,114.54 22.62,114.54 23.24,115.24 23.21,116.14
GND on Top: 23.07,110.79 18.37,110.8 18.35,117.3 13.05,117.3 13.05,114.54 10.95,114.54 10.95,120.4 33.79,120.4 33.79,116.34 29.37,116.34 29.37,110.94 24.66,110.91 24.69,116.16 24.69,117.89 21.04,117.89 21.04,111.81 23.07,111.79
GND on Top: 32.14,106.23 32.14,101.63 32.15,101.63 32.15,72.18 26.72,72.17 26.72,75.77 24.09,75.78 23.24,76.63 23.24,77.18 26.57,77.18 26.57,80.68 26.72,80.68 26.72,83.13 24.09,83.13 23.24,83.98 23.24,84.53 25.9,84.53 25.9,88.03 26.72,88.03 26.72,90.48 24.09,90.48 23.24,91.33 23.24,91.88 25.9,91.88 25.9,95.38 26.72,95.38 26.72,97.83 24.09,97.83 23.18,98.71 23.18,99.24 25.9,99.23 25.88,102.73 26.72,102.75 26.72,105.23 24.07,105.24 23.1,106.16 23.1,106.8 25.87,106.8 25.85,109.1 31.37,109.1 31.37,106.24 ; 15 cut-outs
GND on Bottom: 34.6,78.3 33.1,78.3 33.1,84.7 34.6,84.7
GND on Bottom: 59.5,53.3 54.9,53.3 54.9,56.1 59.5,56.1
GND on Bottom: 55.8,72.1 52.7,72.1 52.7,82.7 55.8,82.7
GND on Bottom: 30.2,25.4 31.4,25.4 31.4,23.4 28.3,23.4 28.3,32.1 30.2,32.1
GND on Bottom: 33.5,41.8 23.2,41.8 23.2,45.5 33.5,45.5
GND on Bottom: 57.3,39.6 54.6,39.6 54.6,50 57.3,50
GND on Bottom: 38.6,74.7 44.7,74.7 44.72,70.35 36.52,70.35 36.5,77.8 38.6,77.8
GND on In1.Cu: 90,0 0,0 0,120.4 90,120.4
GND on In4.Cu: 90,0 0,0 0,120.4 90,120.4
P12V_AUX on Top: 33.79,106.44 31.51,106.44 31.51,116.19 33.79,116.19
P12V_AUX on In3.Cu: 33.87,106.44 31.51,106.44 31.51,108.72 10.84,108.72 10.84,97.1 5.34,91.92 5.34,12.34 15.45,12.34 15.45,3.32 13.24,3.32 13.24,10.05 2.92,10.05 2.92,96.47 5.12,96.47 7.99,99.35 7.99,112.72 31.51,112.71 31.51,116.19 33.89,116.19
VCC1V0 on Top: 21.97,97.27 18.37,97.27 18.37,93.19 14.37,93.19 14.37,101.7 18.34,101.69 18.34,99.75 21.95,99.74
VCC1V0 on Bottom: 35.88,70.2 33.68,70.2 33.7,77.8 35.9,77.8
VCC1V0 on In3.Cu: 33.7,77.8 34.5,77.8 34.5,71 33.7,71 33.71,60.62 46.27,60.55 46.27,54.05 30.54,54.05 30.56,70.74 30.57,93.27 14.43,93.32 14.4,101.7 33.7,101.7
VCC1V2 on Top: 21.83,104.1 19.1,104.1 19.1,106.8 21.85,106.8
VCC1V2 on Bottom: 59.5,51.5 54.8,51.5 54.8,52.8 59.5,52.8
VCC1V2 on In6.Cu: 34.9,87.12 26.2,87.12 26.2,103.9 18.57,103.9 18.57,109.35 34.9,109.35
VCC1V2 on In6.Cu: 48.12,67.52 48.15,67.52 48.15,54.5 58.6,54.5 58.6,51.6 30.29,51.6 30.29,58.15 33.09,58.15 33.09,56.72 45.54,56.72 45.54,60.6 34.65,60.61 34.65,91.75 48.12,91.77
VCC1V8 on Top: 22.21,87.02 19,87.02 18.99,90.01 22.19,90
VCC1V8 on Bottom: 32.5,77.9 33.2,77.9 33.2,76 30.8,76 30.8,83 32.5,83
VCC1V8 on In6.Cu: 33.3,60.39 34.67,60.52 34.67,60.62 45.59,60.6 45.59,56.8 34.67,56.82 34.67,56.85 30.24,56.84 29.83,56.36 29.83,56.19 29.84,55.06 29.32,55.06 28.49,55.89 28.49,56.39 28.5,56.97 28.5,82.03 19.03,82.03 19,89.57 34.49,89.59 34.5,78 33.4,78
VCC1V35 on Top: 21.99,93.7 18.78,93.7 18.77,96.69 21.97,96.68
VCC1V35 on Bottom: 33.8,25.8 30.7,25.8 30.7,32 33.8,32
VCC1V35 on In3.Cu: 26.44,89.62 18.79,89.64 18.79,96.8 22.26,96.8 22.27,93.14 30.43,93.1 30.38,54.01 45.59,54.05 45.61,16.45 26.74,16.4
VCC3V3 on Bottom: 52.2,72.1 49.7,72.1 49.7,82.6 52.2,82.6
VCC3V3 on Bottom: 33.5,46 23.3,46 23.3,48.5 33.5,48.5
VCC3V3 on Bottom: 54.1,39.6 52,39.6 52,50 54.1,50
VCC3V3 on In3.Cu: 87.27,3.34 2.82,3.37 2.8,120.4 87.27,120.4
VCC3V3 on In6.Cu: 87.27,3.37 2.82,3.4 2.8,120.42 87.27,120.42
VCC5V0 on Top: 19.1,103.9 22.05,103.9 22.05,104.65 26.57,104.65 26.57,104.25 25.77,104.25 25.62,104.1 25.62,102.1 19.1,102.1
VCC5V0 on Top: 22.27,97.17 26.52,97.17 26.52,96.87 25.79,96.87 25.65,96.68 25.65,94.68 22.27,94.67
VCC5V0 on Top: 22.09,75.08 26.59,75.13 26.59,74.73 25.79,74.73 25.65,74.58 25.65,72.69 22.09,72.69
VCC5V0 on Top: 22.09,82.43 26.59,82.48 26.59,82.08 25.79,82.08 25.65,81.93 25.65,79.93 22.09,79.93
VCC5V0 on Top: 22.1,89.77 26.6,89.82 26.6,89.42 25.8,89.42 25.65,89.27 25.65,87.27 22.1,87.27
VCC5V0 on In6.Cu: 28.27,70.97 11.54,70.97 11.51,81.21 7.32,81.19 7.33,91.3 11.54,91.26 11.54,111.55 28.27,111.55
/DDR3/DDR3_VTT on In6.Cu: 46.2,34.9 46.2,22.4 40.9,22.4 40.9,16.3 37.8,16.3 37.8,22.4 34.05,22.4 34,34.9
Net-(C72-Pad2) on Top: 13.15,110.55 23.07,110.55 23.07,109.35 17.95,109.35 17.9,101.95 13.1,101.95
Net-(C79-Pad2) on Top: 26.37,79.62 26.37,77.42 22.07,77.43 22.07,79.63
Net-(C80-Pad2) on Top: 25.7,86.93 25.7,84.73 18.98,84.71 18.98,86.91
Net-(C81-Pad2) on Top: 25.7,101.68 25.7,99.48 18.73,99.49 18.73,101.69
Net-(C82-Pad2) on Top: 25.71,94.27 25.71,92.07 18.7,92.07 18.7,94.27
Net-(C101-Pad2) on Top: 25.67,109.1 25.67,106.9 19.1,106.89 19.1,109.1
Net-(D3-C) on Top: 5.55,118.39 10.7,118.39 10.7,114.24 18.2,114.24 18.16,111.27 8.35,111.25 8.3,105.4 5.5,105.4
Net-(U10-SW) on Top: 22.99,77.23 22.99,76.58 23.99,75.58 26.59,75.58 26.59,75.28 22.09,75.28 22.09,77.23
Net-(U11-SW) on Top: 22.99,84.58 22.99,83.93 23.99,82.93 26.59,82.93 26.59,82.63 22.09,82.63 22.09,84.58
Net-(U12-SW) on Top: 22.99,99.33 22.99,98.68 23.99,97.68 26.59,97.68 26.59,97.38 22.09,97.38 22.09,99.33
Net-(U13-SW) on Top: 23.01,91.92 23.01,91.27 24.01,90.27 26.6,90.27 26.6,89.97 22.1,89.97 22.1,91.92
Net-(U16-SW) on Top: 22.97,106.8 22.97,106.1 23.97,105.1 26.57,105.1 26.57,104.8 22.07,104.8 22.07,106.8

## Text on the board
Top: Artix DC-SCM / Rev. ${REVISION}
F.Fab: 1. Copper   F.Cu   0.035 / -- 2116            0.12    4.5 / 2. Copper   In1    0.035 / -- FR4             0.23    4.6 / 3. Copper   In2    0.035 / -- 7630            0.2     4.7 / 4. Copper   In3    0.035 / -- FR4             0.23    4.6 / 5. Copper   In4    0.035 / -- 7630            0.2     4.5 / 6. Copper   In5    0.035 / -- FR4             0.23    4.6 / 7. Copper   In6    0.035 / -- 2116            0.12    4.6 / 8. Copper   B.Cu   0.035
F.Mask: Artix DC-SCM / Rev. ${REVISION}
F.Silkscreen: +3V3 | + | +12V | 3V0_bat | -
Margin: DDR3 PMIC
